# Altium PCB Motherboard_PCB_Trimmed.PcbDoc (part 3 of 5) (continued)
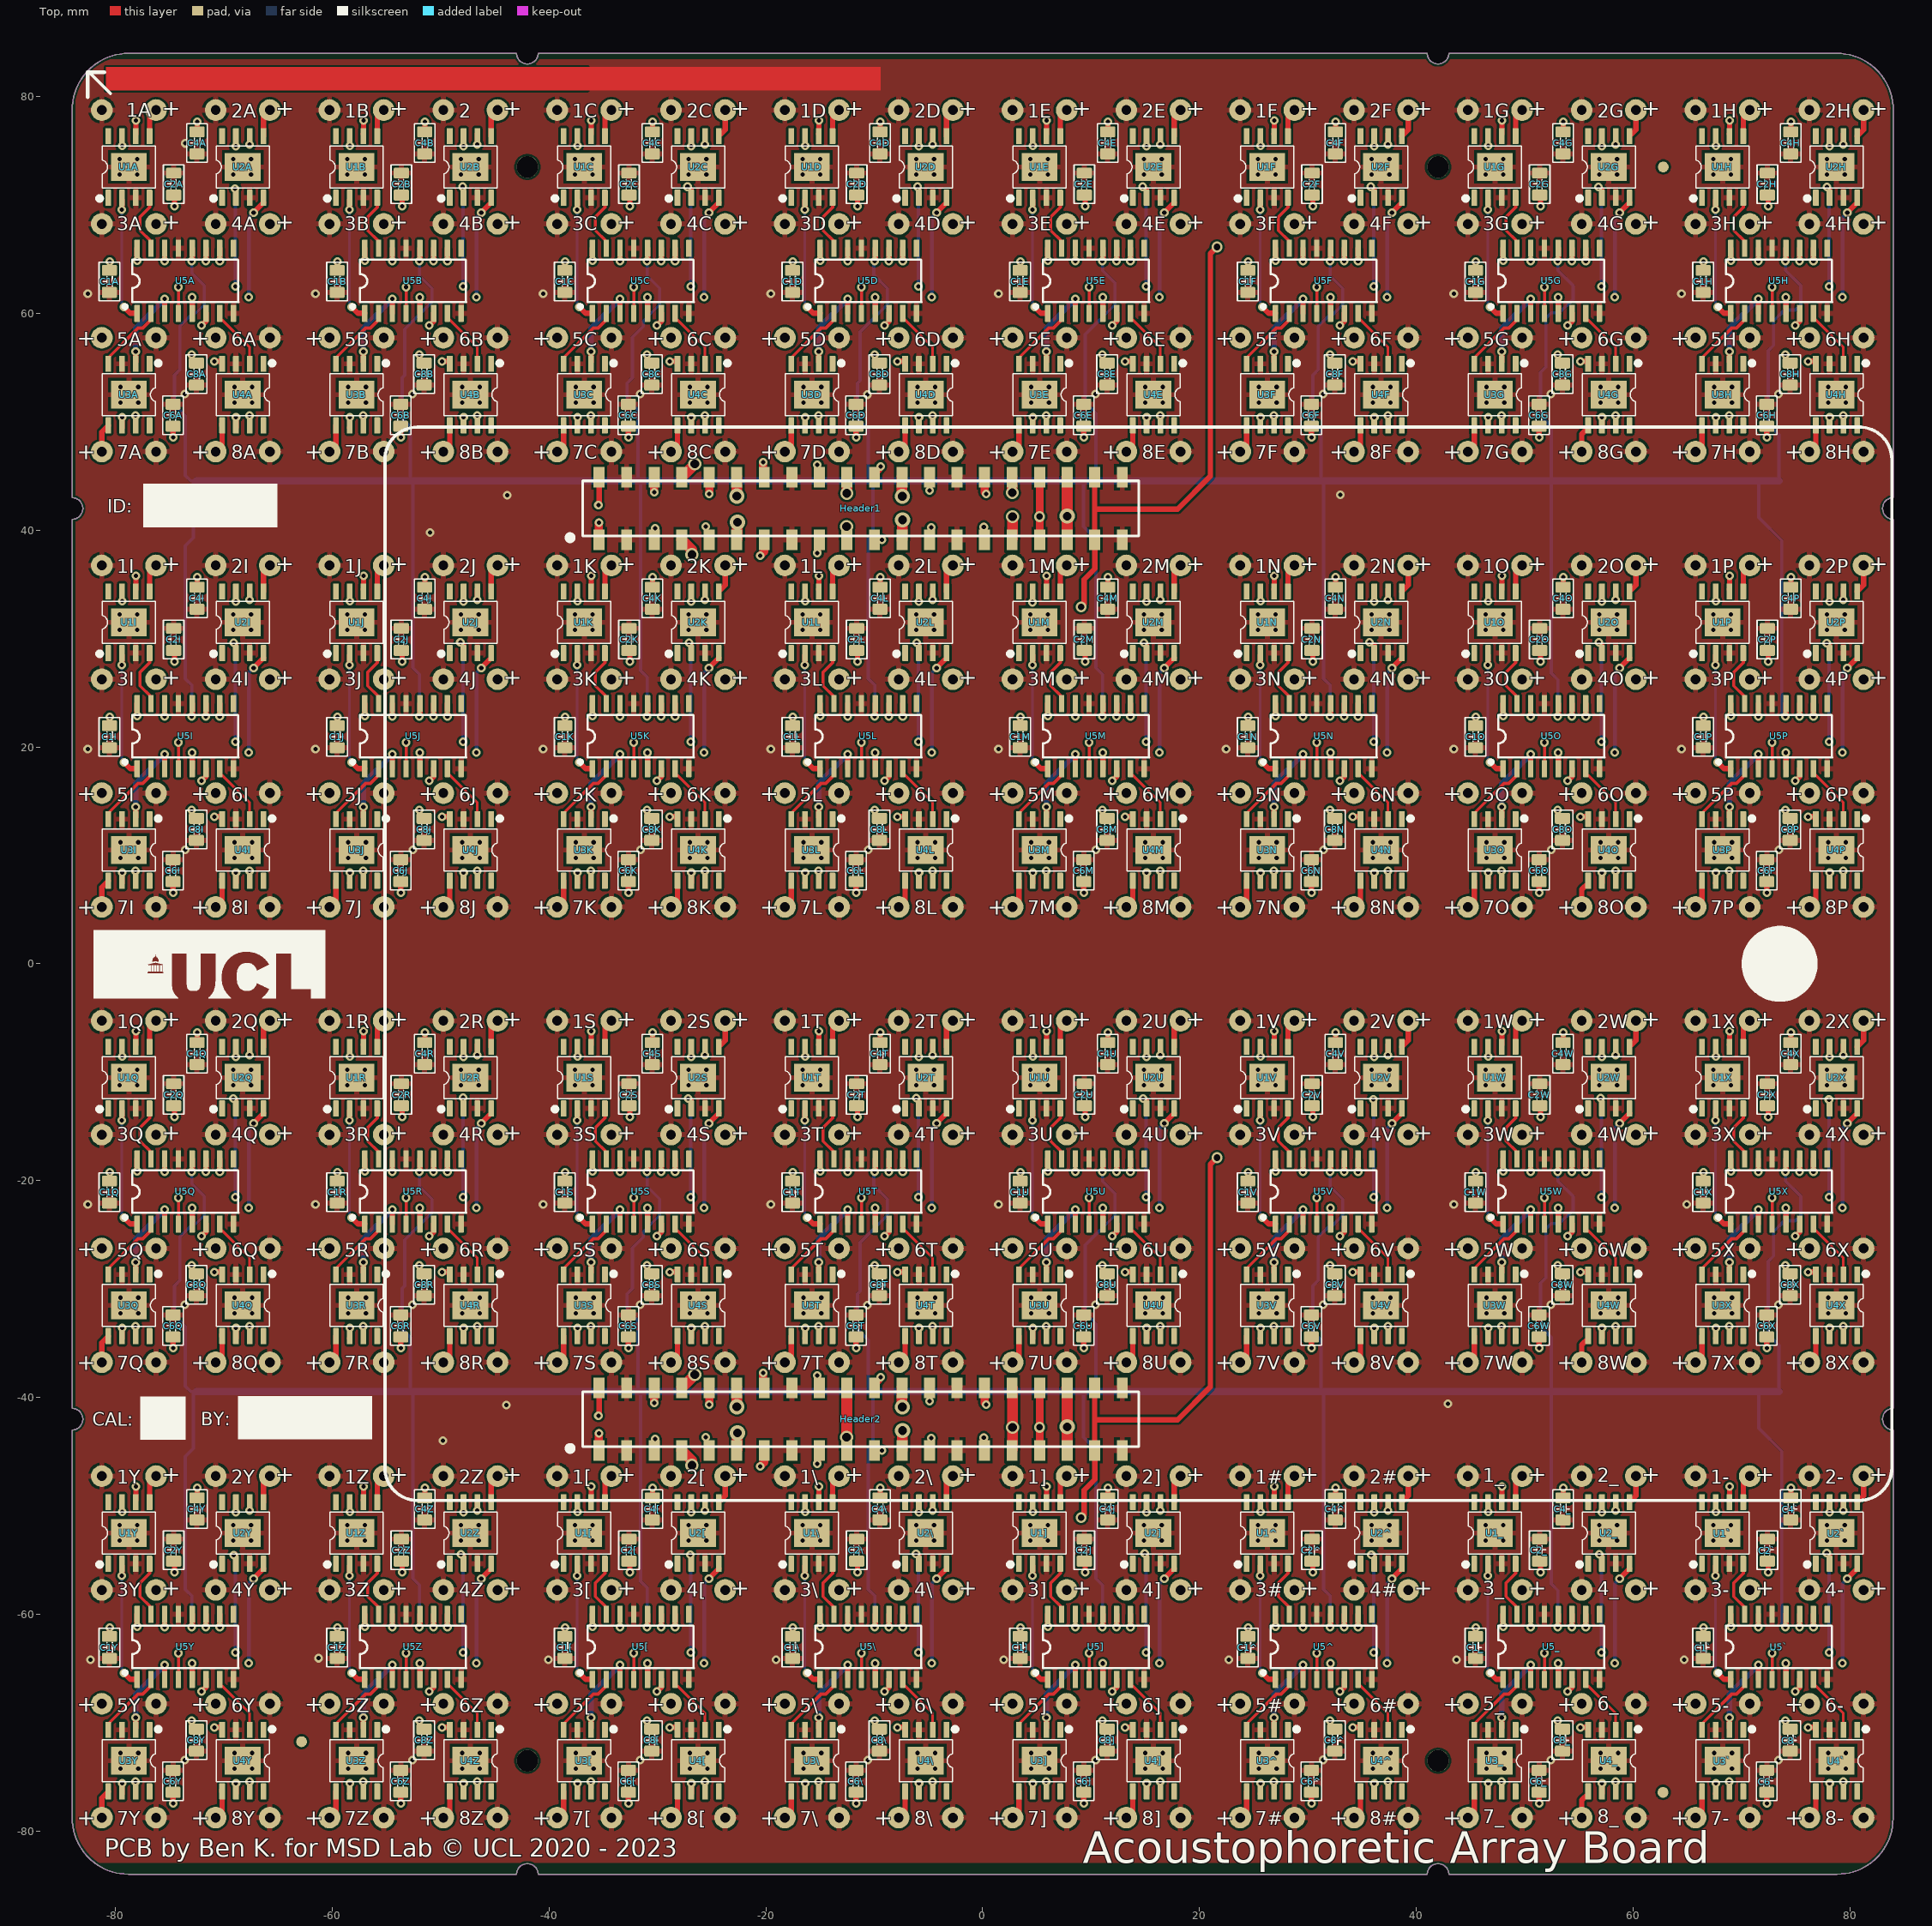
[diagram p0: Top view]
## Nets (pads, with @x,y where several pads share a name; then routed paths per layer and width w, separated by ;. In a path a pad name is that pad's centre, name@x,y a point inside that pad or via, vN(x,y) a via of type N, cw(c..) or ccw(c..) an arc to the next point about the centre after c; other vN are vias at no path point) (continued)
INA_4U: U4U.2 U5U.7 | length 5.6
  Top w0.254: U5U.7@13.625,-24 13.625,-24.375 16.385,-27.135 U4U.2@16.385,-28.455
INA_4V: U4V.2 U5V.7 | length 5.6
  Top w0.254: U5V.7@34.625,-24 34.625,-24.375 37.385,-27.135 U4V.2@37.385,-28.455
INA_4W: U4W.2 U5W.7 | length 5.6
  Top w0.254: U5W.7@55.625,-24 55.625,-24.375 58.385,-27.135 U4W.2@58.385,-28.455
INA_4X: U4X.2 U5X.7 | length 5.6
  Top w0.254: U5X.7@76.625,-24 76.625,-24.375 79.385,-27.135 U4X.2@79.385,-28.455
INA_4Y: U4Y.2 U5Y.7 | length 5.6
  Top w0.254: U5Y.7@-70.375,-66 -70.375,-66.375 -67.615,-69.135 U4Y.2@-67.615,-70.455
INA_4Z: U4Z.2 U5Z.7 | length 5.6
  Top w0.254: U5Z.7@-49.375,-66 -49.375,-66.375 -46.615,-69.135 U4Z.2@-46.615,-70.455
INB_1[: U1[.4 U5[.15 | length 5.2
  Top w0.3: U1[.4@-34.845,-55.545 -34.845,-56.22 -35.725,-57.1 -35.725,-58.35 -34.725,-59.35 U5[.15@-34.725,-60
INB_1\: U1\.4 U5\.15 | length 5.2
  Top w0.3: U1\.4@-13.845,-55.545 -13.845,-56.22 -14.725,-57.1 -14.725,-58.35 -13.725,-59.35 U5\.15@-13.725,-60
INB_1]: U1].4 U5].15 | length 5.2
  Top w0.3: U1].4@7.155,-55.545 7.155,-56.22 6.275,-57.1 6.275,-58.35 7.275,-59.35 U5].15@7.275,-60
INB_1^: U1^.4 U5^.15 | length 5.2
  Top w0.3: U1^.4@28.155,-55.545 28.155,-56.22 27.275,-57.1 27.275,-58.35 28.275,-59.35 U5^.15@28.275,-60
INB_1_: U1_.4 U5_.15 | length 5.2
  Top w0.3: U1_.4@49.155,-55.545 49.155,-56.22 48.275,-57.1 48.275,-58.35 49.275,-59.35 U5_.15@49.275,-60
INB_1`: U1`.4 U5`.15 | length 5.2
  Top w0.3: U1`.4@70.155,-55.545 70.155,-56.22 69.275,-57.1 69.275,-58.35 70.275,-59.35 U5`.15@70.275,-60
INB_1A: U1A.4 U5A.15 | length 5.2
  Top w0.3: U1A.4@-76.845,70.455 -76.845,69.78 -77.725,68.9 -77.725,67.65 -76.725,66.65 U5A.15@-76.725,66
INB_1B: U1B.4 U5B.15 | length 5.2
  Top w0.3: U1B.4@-55.845,70.455 -55.845,69.78 -56.725,68.9 -56.725,67.65 -55.725,66.65 U5B.15@-55.725,66
INB_1C: U1C.4 U5C.15 | length 5.2
  Top w0.3: U1C.4@-34.845,70.455 -34.845,69.78 -35.725,68.9 -35.725,67.65 -34.725,66.65 U5C.15@-34.725,66
INB_1D: U1D.4 U5D.15 | length 5.2
  Top w0.3: U1D.4@-13.845,70.455 -13.845,69.78 -14.725,68.9 -14.725,67.65 -13.725,66.65 U5D.15@-13.725,66
INB_1E: U1E.4 U5E.15 | length 5.2
  Top w0.3: U1E.4@7.155,70.455 7.155,69.78 6.275,68.9 6.275,67.65 7.275,66.65 U5E.15@7.275,66
INB_1F: U1F.4 U5F.15 | length 5.2
  Top w0.3: U1F.4@28.155,70.455 28.155,69.78 27.275,68.9 27.275,67.65 28.275,66.65 U5F.15@28.275,66
INB_1G: U1G.4 U5G.15 | length 5.2
  Top w0.3: U1G.4@49.155,70.455 49.155,69.78 48.275,68.9 48.275,67.65 49.275,66.65 U5G.15@49.275,66
INB_1H: U1H.4 U5H.15 | length 5.2
  Top w0.3: U1H.4@70.155,70.455 70.155,69.78 69.275,68.9 69.275,67.65 70.275,66.65 U5H.15@70.275,66
INB_1I: U1I.4 U5I.15 | length 5.2
  Top w0.3: U1I.4@-76.845,28.455 -76.845,27.78 -77.725,26.9 -77.725,25.65 -76.725,24.65 U5I.15@-76.725,24
INB_1J: U1J.4 U5J.15 | length 5.2
  Top w0.3: U1J.4@-55.845,28.455 -55.845,27.78 -56.725,26.9 -56.725,25.65 -55.725,24.65 U5J.15@-55.725,24
INB_1K: U1K.4 U5K.15 | length 5.4
  Top w0.3: U1K.4@-34.845,28.655 -34.845,27.78 -35.725,26.9 -35.725,25.65 -34.725,24.65 U5K.15@-34.725,24
INB_1L: U1L.4 U5L.15 | length 5.2
  Top w0.3: U1L.4@-13.845,28.455 -13.845,27.78 -14.725,26.9 -14.725,25.65 -13.725,24.65 U5L.15@-13.725,24
INB_1M: U1M.4 U5M.15 | length 5.2
  Top w0.3: U1M.4@7.155,28.455 7.155,27.78 6.275,26.9 6.275,25.65 7.275,24.65 U5M.15@7.275,24
INB_1N: U1N.4 U5N.15 | length 5.2
  Top w0.3: U1N.4@28.155,28.455 28.155,27.78 27.275,26.9 27.275,25.65 28.275,24.65 U5N.15@28.275,24
INB_1O: U1O.4 U5O.15 | length 5.2
  Top w0.3: U1O.4@49.155,28.455 49.155,27.78 48.275,26.9 48.275,25.65 49.275,24.65 U5O.15@49.275,24
INB_1P: U1P.4 U5P.15 | length 5.2
  Top w0.3: U1P.4@70.155,28.455 70.155,27.78 69.275,26.9 69.275,25.65 70.275,24.65 U5P.15@70.275,24
INB_1Q: U1Q.4 U5Q.15 | length 5.2
  Top w0.3: U1Q.4@-76.845,-13.545 -76.845,-14.22 -77.725,-15.1 -77.725,-16.35 -76.725,-17.35 U5Q.15@-76.725,-18
INB_1R: U1R.4 U5R.15 | length 5.2
  Top w0.3: U1R.4@-55.845,-13.545 -55.845,-14.22 -56.725,-15.1 -56.725,-16.35 -55.725,-17.35 U5R.15@-55.725,-18
INB_1S: U1S.4 U5S.15 | length 5.2
  Top w0.3: U1S.4@-34.845,-13.545 -34.845,-14.22 -35.725,-15.1 -35.725,-16.35 -34.725,-17.35 U5S.15@-34.725,-18
INB_1T: U1T.4 U5T.15 | length 5.2
  Top w0.3: U1T.4@-13.845,-13.545 -13.845,-14.22 -14.725,-15.1 -14.725,-16.35 -13.725,-17.35 U5T.15@-13.725,-18
INB_1U: U1U.4 U5U.15 | length 5.2
  Top w0.3: U1U.4@7.155,-13.545 7.155,-14.22 6.275,-15.1 6.275,-16.35 7.275,-17.35 U5U.15@7.275,-18
INB_1V: U1V.4 U5V.15 | length 5.2
  Top w0.3: U1V.4@28.155,-13.545 28.155,-14.22 27.275,-15.1 27.275,-16.35 28.275,-17.35 U5V.15@28.275,-18
INB_1W: U1W.4 U5W.15 | length 5.2
  Top w0.3: U1W.4@49.155,-13.545 49.155,-14.22 48.275,-15.1 48.275,-16.35 49.275,-17.35 U5W.15@49.275,-18
INB_1X: U1X.4 U5X.15 | length 5.2
  Top w0.3: U1X.4@70.155,-13.545 70.155,-14.22 69.275,-15.1 69.275,-16.35 70.275,-17.35 U5X.15@70.275,-18
INB_1Y: U1Y.4 U5Y.15 | length 5.2
  Top w0.3: U1Y.4@-76.845,-55.545 -76.845,-56.22 -77.725,-57.1 -77.725,-58.35 -76.725,-59.35 U5Y.15@-76.725,-60
INB_1Z: U1Z.4 U5Z.15 | length 5.2
  Top w0.3: U1Z.4@-55.845,-55.545 -55.845,-56.22 -56.725,-57.1 -56.725,-58.35 -55.725,-59.35 U5Z.15@-55.725,-60
INB_2[: U2[.4 U5[.5 | length 16
  Top w0.5: v1(-30.925,-64.525) -30.915,-64.535 U5[.5@-30.915,-66 ; v1(-25.25,-56.7) U2[.4@-24.345,-55.795
  Internal w0.3: v1(-30.925,-64.525) -25.725,-64.525 v1(-25.7,-64.5)
  Bottom w0.35: v1(-25.7,-64.5) -25.7,-57.15 v1(-25.25,-56.7)
INB_2\: U2\.4 U5\.5 | length 16
  Top w0.5: v1(-9.925,-64.525) -9.915,-64.535 U5\.5@-9.915,-66 ; v1(-4.25,-56.7) U2\.4@-3.345,-55.795
  Internal w0.3: v1(-9.925,-64.525) -4.725,-64.525 v1(-4.7,-64.5)
  Bottom w0.35: v1(-4.7,-64.5) -4.7,-57.15 v1(-4.25,-56.7)
INB_2]: U2].4 U5].5 | length 16
  Top w0.5: v1(11.075,-64.525) 11.085,-64.535 U5].5@11.085,-66 ; v1(16.75,-56.7) U2].4@17.655,-55.795
  Internal w0.3: v1(11.075,-64.525) 16.275,-64.525 v1(16.3,-64.5)
  Bottom w0.35: v1(16.3,-64.5) 16.3,-57.15 v1(16.75,-56.7)
INB_2^: U2^.4 U5^.5 | length 16
  Top w0.5: v1(32.075,-64.525) 32.085,-64.535 U5^.5@32.085,-66 ; v1(37.75,-56.7) U2^.4@38.655,-55.795
  Internal w0.3: v1(32.075,-64.525) 37.275,-64.525 v1(37.3,-64.5)
  Bottom w0.35: v1(37.3,-64.5) 37.3,-57.15 v1(37.75,-56.7)
INB_2_: U2_.4 U5_.5 | length 16
  Top w0.5: v1(53.075,-64.525) 53.085,-64.535 U5_.5@53.085,-66 ; v1(58.75,-56.7) U2_.4@59.655,-55.795
  Internal w0.3: v1(53.075,-64.525) 58.275,-64.525 v1(58.3,-64.5)
  Bottom w0.35: v1(58.3,-64.5) 58.3,-57.15 v1(58.75,-56.7)
INB_2`: U2`.4 U5`.5 | length 16
  Top w0.5: v1(74.075,-64.525) 74.085,-64.535 U5`.5@74.085,-66 ; v1(79.75,-56.7) U2`.4@80.655,-55.795
  Internal w0.3: v1(74.075,-64.525) 79.275,-64.525 v1(79.3,-64.5)
  Bottom w0.35: v1(79.3,-64.5) 79.3,-57.15 v1(79.75,-56.7)
INB_2A: U2A.4 U5A.5 | length 16
  Top w0.5: v1(-72.925,61.475) -72.915,61.465 U5A.5@-72.915,60 ; v1(-67.25,69.3) U2A.4@-66.345,70.205
  Internal w0.3: v1(-72.925,61.475) -67.725,61.475 v1(-67.7,61.5)
  Bottom w0.35: v1(-67.7,61.5) -67.7,68.85 v1(-67.25,69.3)
INB_2B: U2B.4 U5B.5 | length 16
  Top w0.5: v1(-51.925,61.475) -51.915,61.465 U5B.5@-51.915,60 ; v1(-46.25,69.3) U2B.4@-45.345,70.205
  Internal w0.3: v1(-51.925,61.475) v1@-46.725,61.475
  Internal w0.5: v1@-46.725,61.475 v1(-46.7,61.5)
  Bottom w0.35: v1(-46.7,61.5) -46.7,68.85 v1(-46.25,69.3)
INB_2C: U2C.4 U5C.5 | length 16
  Top w0.5: v1(-30.925,61.475) -30.915,61.465 U5C.5@-30.915,60 ; v1(-25.25,69.3) U2C.4@-24.345,70.205
  Internal w0.3: v1(-30.925,61.475) -25.725,61.475 v1(-25.7,61.5)
  Bottom w0.35: v1(-25.7,61.5) -25.7,68.85 v1(-25.25,69.3)
INB_2D: U2D.4 U5D.5 | length 16
  Top w0.5: v1(-9.925,61.475) -9.915,61.465 U5D.5@-9.915,60 ; v1(-4.25,69.3) U2D.4@-3.345,70.205
  Internal w0.3: v1(-9.925,61.475) -4.725,61.475 v1(-4.7,61.5)
  Bottom w0.35: v1(-4.7,61.5) -4.7,68.85 v1(-4.25,69.3)
INB_2E: U2E.4 U5E.5 | length 16
  Top w0.5: v1(11.075,61.475) 11.085,61.465 U5E.5@11.085,60 ; v1(16.75,69.3) U2E.4@17.655,70.205
  Internal w0.3: v1(11.075,61.475) 16.275,61.475 v1(16.3,61.5)
  Bottom w0.35: v1(16.3,61.5) 16.3,68.85 v1(16.75,69.3)
INB_2F: U2F.4 U5F.5 | length 16
  Top w0.5: v1(32.075,61.475) 32.085,61.465 U5F.5@32.085,60 ; v1(37.75,69.3) U2F.4@38.655,70.205
  Internal w0.3: v1(32.075,61.475) 37.275,61.475 v1(37.3,61.5)
  Bottom w0.35: v1(37.3,61.5) 37.3,68.85 v1(37.75,69.3)
INB_2G: U2G.4 U5G.5 | length 16
  Top w0.5: v1(53.075,61.475) 53.085,61.465 U5G.5@53.085,60 ; v1(58.75,69.3) U2G.4@59.655,70.205
  Internal w0.3: v1(53.075,61.475) 58.275,61.475 v1(58.3,61.5)
  Bottom w0.35: v1(58.3,61.5) 58.3,68.85 v1(58.75,69.3)
INB_2H: U2H.4 U5H.5 | length 16
  Top w0.5: v1(74.075,61.475) 74.085,61.465 U5H.5@74.085,60 ; v1(79.75,69.3) U2H.4@80.655,70.205
  Internal w0.3: v1(74.075,61.475) 79.275,61.475 v1(79.3,61.5)
  Bottom w0.35: v1(79.3,61.5) 79.3,68.85 v1(79.75,69.3)
INB_2I: U2I.4 U5I.5 | length 16
  Top w0.5: v1(-72.925,19.475) -72.915,19.465 U5I.5@-72.915,18 ; v1(-67.25,27.3) U2I.4@-66.345,28.205
  Internal w0.3: v1(-72.925,19.475) -67.725,19.475 v1(-67.7,19.5)
  Bottom w0.35: v1(-67.7,19.5) -67.7,26.85 v1(-67.25,27.3)
INB_2J: U2J.4 U5J.5 | length 16
  Top w0.5: v1(-51.925,19.475) -51.915,19.465 U5J.5@-51.915,18 ; v1(-46.25,27.3) U2J.4@-45.345,28.205
  Internal w0.3: v1(-51.925,19.475) -46.725,19.475 v1(-46.7,19.5)
  Bottom w0.35: v1(-46.7,19.5) -46.7,26.85 v1(-46.25,27.3)
INB_2K: U2K.4 U5K.5 | length 16
  Top w0.5: v1(-30.925,19.475) -30.915,19.465 U5K.5@-30.915,18 ; v1(-25.25,27.3) U2K.4@-24.345,28.205
  Internal w0.3: v1(-30.925,19.475) -25.725,19.475 v1(-25.7,19.5)
  Bottom w0.35: v1(-25.7,19.5) -25.7,26.85 v1(-25.25,27.3)
INB_2L: U2L.4 U5L.5 | length 16
  Top w0.5: v1(-9.925,19.475) -9.915,19.465 U5L.5@-9.915,18 ; v1(-4.25,27.3) U2L.4@-3.345,28.205
  Internal w0.3: v1(-9.925,19.475) -4.725,19.475 v1(-4.7,19.5)
  Bottom w0.35: v1(-4.7,19.5) -4.7,26.85 v1(-4.25,27.3)
INB_2M: U2M.4 U5M.5 | length 16
  Top w0.5: v1(11.075,19.475) 11.085,19.465 U5M.5@11.085,18 ; v1(16.75,27.3) U2M.4@17.655,28.205
  Internal w0.3: v1(11.075,19.475) 16.275,19.475 v1(16.3,19.5)
  Bottom w0.35: v1(16.3,19.5) 16.3,26.85 v1(16.75,27.3)
INB_2N: U2N.4 U5N.5 | length 16
  Top w0.5: v1(32.075,19.475) 32.085,19.465 U5N.5@32.085,18 ; v1(37.75,27.3) U2N.4@38.655,28.205
  Internal w0.3: v1(32.075,19.475) 37.275,19.475 v1(37.3,19.5)
  Bottom w0.35: v1(37.3,19.5) 37.3,26.85 v1(37.75,27.3)
INB_2O: U2O.4 U5O.5 | length 16
  Top w0.5: v1(53.075,19.475) 53.085,19.465 U5O.5@53.085,18 ; v1(58.75,27.3) U2O.4@59.655,28.205
  Internal w0.3: v1(53.075,19.475) 58.275,19.475 v1(58.3,19.5)
  Bottom w0.35: v1(58.3,19.5) 58.3,26.85 v1(58.75,27.3)
INB_2P: U2P.4 U5P.5 | length 16
  Top w0.5: v1(74.075,19.475) 74.085,19.465 U5P.5@74.085,18 ; v1(79.75,27.3) U2P.4@80.655,28.205
  Internal w0.3: v1(74.075,19.475) 79.275,19.475 v1(79.3,19.5)
  Bottom w0.35: v1(79.3,19.5) 79.3,26.85 v1(79.75,27.3)
INB_2Q: U2Q.4 U5Q.5 | length 16
  Top w0.5: v1(-72.925,-22.525) -72.915,-22.535 U5Q.5@-72.915,-24 ; v1(-67.25,-14.7) U2Q.4@-66.345,-13.795
  Internal w0.3: v1(-72.925,-22.525) -67.725,-22.525 v1(-67.7,-22.5)
  Bottom w0.35: v1(-67.7,-22.5) -67.7,-15.15 v1(-67.25,-14.7)
INB_2R: U2R.4 U5R.5 | length 16
  Top w0.5: v1(-51.925,-22.525) -51.915,-22.535 U5R.5@-51.915,-24 ; v1(-46.25,-14.7) U2R.4@-45.345,-13.795
  Internal w0.3: v1(-51.925,-22.525) -46.725,-22.525 v1(-46.7,-22.5)
  Bottom w0.35: v1(-46.7,-22.5) -46.7,-15.15 v1(-46.25,-14.7)
INB_2S: U2S.4 U5S.5 | length 16
  Top w0.5: v1(-30.925,-22.525) -30.915,-22.535 U5S.5@-30.915,-24 ; v1(-25.25,-14.7) U2S.4@-24.345,-13.795
  Internal w0.3: v1(-30.925,-22.525) -25.725,-22.525 v1(-25.7,-22.5)
  Bottom w0.35: v1(-25.7,-22.5) -25.7,-15.15 v1(-25.25,-14.7)
INB_2T: U2T.4 U5T.5 | length 16
  Top w0.5: v1(-9.925,-22.525) -9.915,-22.535 U5T.5@-9.915,-24 ; v1(-4.25,-14.7) U2T.4@-3.345,-13.795
  Internal w0.3: v1(-9.925,-22.525) -4.725,-22.525 v1(-4.7,-22.5)
  Bottom w0.35: v1(-4.7,-22.5) -4.7,-15.15 v1(-4.25,-14.7)
INB_2U: U2U.4 U5U.5 | length 16
  Top w0.5: v1(11.075,-22.525) 11.085,-22.535 U5U.5@11.085,-24 ; v1(16.75,-14.7) U2U.4@17.655,-13.795
  Internal w0.3: v1(11.075,-22.525) 16.275,-22.525 v1(16.3,-22.5)
  Bottom w0.35: v1(16.3,-22.5) 16.3,-15.15 v1(16.75,-14.7)
INB_2V: U2V.4 U5V.5 | length 16
  Top w0.5: v1(32.075,-22.525) 32.085,-22.535 U5V.5@32.085,-24 ; v1(37.75,-14.7) U2V.4@38.655,-13.795
  Internal w0.3: v1(32.075,-22.525) 37.275,-22.525 v1(37.3,-22.5)
  Bottom w0.35: v1(37.3,-22.5) 37.3,-15.15 v1(37.75,-14.7)
INB_2W: U2W.4 U5W.5 | length 16
  Top w0.5: v1(53.075,-22.525) 53.085,-22.535 U5W.5@53.085,-24 ; v1(58.75,-14.7) U2W.4@59.655,-13.795
  Internal w0.3: v1(53.075,-22.525) 58.275,-22.525 v1(58.3,-22.5)
  Bottom w0.35: v1(58.3,-22.5) 58.3,-15.15 v1(58.75,-14.7)
INB_2X: U2X.4 U5X.5 | length 16
  Top w0.5: v1(74.075,-22.525) 74.085,-22.535 U5X.5@74.085,-24 ; v1(79.75,-14.7) U2X.4@80.655,-13.795
  Internal w0.3: v1(74.075,-22.525) 79.275,-22.525 v1(79.3,-22.5)
  Bottom w0.35: v1(79.3,-22.5) 79.3,-15.15 v1(79.75,-14.7)
INB_2Y: U2Y.4 U5Y.5 | length 16
  Top w0.5: v1(-72.925,-64.525) -72.915,-64.535 U5Y.5@-72.915,-66 ; v1(-67.25,-56.7) U2Y.4@-66.345,-55.795
  Internal w0.3: v1(-72.925,-64.525) -67.725,-64.525 v1(-67.7,-64.5)
  Bottom w0.35: v1(-67.7,-64.5) -67.7,-57.15 v1(-67.25,-56.7)
INB_2Z: U2Z.4 U5Z.5 | length 16
  Top w0.5: v1(-51.925,-64.525) -51.915,-64.535 U5Z.5@-51.915,-66 ; v1(-46.25,-56.7) U2Z.4@-45.345,-55.795
  Internal w0.3: v1(-51.925,-64.525) -46.725,-64.525 v1(-46.7,-64.5)
  Bottom w0.35: v1(-46.7,-64.5) -46.7,-57.15 v1(-46.25,-56.7)
INB_3[: U3[.4 U5[.2 | length 6.3
  Top w0.3: U3[.4@-38.655,-70.455 -38.655,-70.105 -35.9,-67.35 -35.475,-67.35 -34.725,-66.6 U5[.2@-34.725,-66
INB_3\: U3\.4 U5\.2 | length 6.3
  Top w0.3: U3\.4@-17.655,-70.455 -17.655,-70.105 -14.9,-67.35 -14.475,-67.35 -13.725,-66.6 U5\.2@-13.725,-66
INB_3]: U3].4 U5].2 | length 6.3
  Top w0.3: U3].4@3.345,-70.455 3.345,-70.105 6.1,-67.35 6.525,-67.35 7.275,-66.6 U5].2@7.275,-66
INB_3^: U3^.4 U5^.2 | length 6.3
  Top w0.3: U3^.4@24.345,-70.455 24.345,-70.105 27.1,-67.35 27.525,-67.35 28.275,-66.6 U5^.2@28.275,-66
INB_3_: U3_.4 U5_.2 | length 6.3
  Top w0.3: U3_.4@45.345,-70.455 45.345,-70.105 48.1,-67.35 48.525,-67.35 49.275,-66.6 U5_.2@49.275,-66
INB_3`: U3`.4 U5`.2 | length 6.3
  Top w0.3: U3`.4@66.345,-70.455 66.345,-70.105 69.1,-67.35 69.525,-67.35 70.275,-66.6 U5`.2@70.275,-66
INB_3A: U3A.4 U5A.2 | length 6.3
  Top w0.3: U3A.4@-80.655,55.545 -80.655,55.895 -77.9,58.65 -77.475,58.65 -76.725,59.4 U5A.2@-76.725,60
INB_3B: U3B.4 U5B.2 | length 6.3
  Top w0.3: U3B.4@-59.655,55.545 -59.655,55.895 -56.9,58.65 -56.475,58.65 -55.725,59.4 U5B.2@-55.725,60
INB_3C: U3C.4 U5C.2 | length 6.3
  Top w0.3: U3C.4@-38.655,55.545 -38.655,55.895 -35.9,58.65 -35.475,58.65 -34.725,59.4 U5C.2@-34.725,60
INB_3D: U3D.4 U5D.2 | length 6.3
  Top w0.3: U3D.4@-17.655,55.545 -17.655,55.895 -14.9,58.65 -14.475,58.65 -13.725,59.4 U5D.2@-13.725,60
INB_3E: U3E.4 U5E.2 | length 6.3
  Top w0.3: U3E.4@3.345,55.545 3.345,55.895 6.1,58.65 6.525,58.65 7.275,59.4 U5E.2@7.275,60
INB_3F: U3F.4 U5F.2 | length 6.3
  Top w0.3: U3F.4@24.345,55.545 24.345,55.895 27.1,58.65 27.525,58.65 28.275,59.4 U5F.2@28.275,60
INB_3G: U3G.4 U5G.2 | length 6.3
  Top w0.3: U3G.4@45.345,55.545 45.345,55.895 48.1,58.65 48.525,58.65 49.275,59.4 U5G.2@49.275,60
INB_3H: U3H.4 U5H.2 | length 6.3
  Top w0.3: U3H.4@66.345,55.545 66.345,55.895 69.1,58.65 69.525,58.65 70.275,59.4 U5H.2@70.275,60
INB_3I: U3I.4 U5I.2 | length 6.3
  Top w0.3: U3I.4@-80.655,13.545 -80.655,13.895 -77.9,16.65 -77.475,16.65 -76.725,17.4 U5I.2@-76.725,18
INB_3J: U3J.4 U5J.2 | length 6.3
  Top w0.3: U3J.4@-59.655,13.545 -59.655,13.895 -56.9,16.65 -56.475,16.65 -55.725,17.4 U5J.2@-55.725,18
INB_3K: U3K.4 U5K.2 | length 6.3
  Top w0.3: U3K.4@-38.655,13.545 -38.655,13.895 -35.9,16.65 -35.475,16.65 -34.725,17.4 U5K.2@-34.725,18
INB_3L: U3L.4 U5L.2 | length 6.3
  Top w0.3: U3L.4@-17.655,13.545 -17.655,13.895 -14.9,16.65 -14.475,16.65 -13.725,17.4 U5L.2@-13.725,18
INB_3M: U3M.4 U5M.2 | length 6.3
  Top w0.3: U3M.4@3.345,13.545 3.345,13.895 6.1,16.65 6.525,16.65 7.275,17.4 U5M.2@7.275,18
INB_3N: U3N.4 U5N.2 | length 6.3
  Top w0.3: U3N.4@24.345,13.545 24.345,13.895 27.1,16.65 27.525,16.65 28.275,17.4 U5N.2@28.275,18
INB_3O: U3O.4 U5O.2 | length 6.3
  Top w0.3: U3O.4@45.345,13.545 45.345,13.895 48.1,16.65 48.525,16.65 49.275,17.4 U5O.2@49.275,18
INB_3P: U3P.4 U5P.2 | length 6.3
  Top w0.3: U3P.4@66.345,13.545 66.345,13.895 69.1,16.65 69.525,16.65 70.275,17.4 U5P.2@70.275,18
INB_3Q: U3Q.4 U5Q.2 | length 6.3
  Top w0.3: U3Q.4@-80.655,-28.455 -80.655,-28.105 -77.9,-25.35 -77.475,-25.35 -76.725,-24.6 U5Q.2@-76.725,-24
INB_3R: U3R.4 U5R.2 | length 6.3
  Top w0.3: U3R.4@-59.655,-28.455 -59.655,-28.105 -56.9,-25.35 -56.475,-25.35 -55.725,-24.6 U5R.2@-55.725,-24
INB_3S: U3S.4 U5S.2 | length 6.3
  Top w0.3: U3S.4@-38.655,-28.455 -38.655,-28.105 -35.9,-25.35 -35.475,-25.35 -34.725,-24.6 U5S.2@-34.725,-24
INB_3T: U3T.4 U5T.2 | length 6.3
  Top w0.3: U3T.4@-17.655,-28.455 -17.655,-28.105 -14.9,-25.35 -14.475,-25.35 -13.725,-24.6 U5T.2@-13.725,-24
INB_3U: U3U.4 U5U.2 | length 6.3
  Top w0.3: U3U.4@3.345,-28.455 3.345,-28.105 6.1,-25.35 6.525,-25.35 7.275,-24.6 U5U.2@7.275,-24
INB_3V: U3V.4 U5V.2 | length 6.3
  Top w0.3: U3V.4@24.345,-28.455 24.345,-28.105 27.1,-25.35 27.525,-25.35 28.275,-24.6 U5V.2@28.275,-24
INB_3W: U3W.4 U5W.2 | length 6.3
  Top w0.3: U3W.4@45.345,-28.455 45.345,-28.105 48.1,-25.35 48.525,-25.35 49.275,-24.6 U5W.2@49.275,-24
INB_3X: U3X.4 U5X.2 | length 6.3
  Top w0.3: U3X.4@66.345,-28.455 66.345,-28.105 69.1,-25.35 69.525,-25.35 70.275,-24.6 U5X.2@70.275,-24
INB_3Y: U3Y.4 U5Y.2 | length 6.3
  Top w0.3: U3Y.4@-80.655,-70.455 -80.655,-70.105 -77.9,-67.35 -77.475,-67.35 -76.725,-66.6 U5Y.2@-76.725,-66
INB_3Z: U3Z.4 U5Z.2 | length 6.3
  Top w0.3: U3Z.4@-59.655,-70.455 -59.655,-70.105 -56.9,-67.35 -56.475,-67.35 -55.725,-66.6 U5Z.2@-55.725,-66
INB_4[: U4[.4 U5[.6 | length 6.1
  Top w0.5: v1(-30.05,-67.125) -29.645,-66.72 U5[.6@-29.645,-66 ; v1(-28.875,-70.425) -28.185,-70.425 U4[.4@-28.155,-70.455
  Internal w0.3: v1(-30.05,-67.125) -30.4,-67.475 -30.4,-68.925 -28.9,-70.425 v1(-28.875,-70.425)
INB_4\: U4\.4 U5\.6 | length 6.1
  Top w0.5: v1(-9.05,-67.125) -8.645,-66.72 U5\.6@-8.645,-66 ; v1(-7.875,-70.425) -7.185,-70.425 U4\.4@-7.155,-70.455
  Internal w0.3: v1(-9.05,-67.125) -9.4,-67.475 -9.4,-68.925 -7.9,-70.425 v1(-7.875,-70.425)
INB_4]: U4].4 U5].6 | length 6.1
  Top w0.5: v1(11.95,-67.125) 12.355,-66.72 U5].6@12.355,-66 ; v1(13.125,-70.425) 13.815,-70.425 U4].4@13.845,-70.455
  Internal w0.3: v1(11.95,-67.125) 11.6,-67.475 11.6,-68.925 13.1,-70.425 v1(13.125,-70.425)
INB_4^: U4^.4 U5^.6 | length 6.1
  Top w0.5: v1(32.95,-67.125) 33.355,-66.72 U5^.6@33.355,-66 ; v1(34.125,-70.425) 34.815,-70.425 U4^.4@34.845,-70.455
  Internal w0.3: v1(32.95,-67.125) 32.6,-67.475 32.6,-68.925 34.1,-70.425 v1(34.125,-70.425)
INB_4_: U4_.4 U5_.6 | length 6.1
  Top w0.5: v1(53.95,-67.125) 54.355,-66.72 U5_.6@54.355,-66 ; v1(55.125,-70.425) 55.815,-70.425 U4_.4@55.845,-70.455
  Internal w0.3: v1(53.95,-67.125) 53.6,-67.475 53.6,-68.925 55.1,-70.425 v1(55.125,-70.425)
INB_4`: U4`.4 U5`.6 | length 6.1
  Top w0.5: v1(74.95,-67.125) 75.355,-66.72 U5`.6@75.355,-66 ; v1(76.125,-70.425) 76.815,-70.425 U4`.4@76.845,-70.455
  Internal w0.3: v1(74.95,-67.125) 74.6,-67.475 74.6,-68.925 76.1,-70.425 v1(76.125,-70.425)
INB_4A: U4A.4 U5A.6 | length 6.1
  Top w0.5: v1(-72.05,58.875) -71.645,59.28 U5A.6@-71.645,60 ; v1(-70.875,55.575) -70.185,55.575 U4A.4@-70.155,55.545
  Internal w0.3: v1(-72.05,58.875) -72.4,58.525 -72.4,57.075 -70.9,55.575 v1(-70.875,55.575)
INB_4B: U4B.4 U5B.6 | length 6.1
  Top w0.5: v1(-51.05,58.875) -50.645,59.28 U5B.6@-50.645,60 ; v1(-49.875,55.575) -49.185,55.575 U4B.4@-49.155,55.545
  Internal w0.3: v1(-51.05,58.875) -51.4,58.525 -51.4,57.075 -49.9,55.575 v1(-49.875,55.575)
INB_4C: U4C.4 U5C.6 | length 6.1
  Top w0.5: v1(-30.05,58.875) -29.645,59.28 U5C.6@-29.645,60 ; v1(-28.875,55.575) -28.185,55.575 U4C.4@-28.155,55.545
  Internal w0.3: v1(-30.05,58.875) -30.4,58.525 -30.4,57.075 -28.9,55.575 v1(-28.875,55.575)
INB_4D: U4D.4 U5D.6 | length 6.1
  Top w0.5: v1(-9.05,58.875) -8.645,59.28 U5D.6@-8.645,60 ; v1(-7.875,55.575) -7.185,55.575 U4D.4@-7.155,55.545
  Internal w0.3: v1(-9.05,58.875) -9.4,58.525 -9.4,57.075 -7.9,55.575 v1(-7.875,55.575)
INB_4E: U4E.4 U5E.6 | length 6.1
  Top w0.5: v1(11.95,58.875) 12.355,59.28 U5E.6@12.355,60 ; v1(13.125,55.575) 13.815,55.575 U4E.4@13.845,55.545
  Internal w0.3: v1(11.95,58.875) 11.6,58.525 11.6,57.075 13.1,55.575 v1(13.125,55.575)
INB_4F: U4F.4 U5F.6 | length 6.1
  Top w0.5: v1(32.95,58.875) 33.355,59.28 U5F.6@33.355,60 ; v1(34.125,55.575) 34.815,55.575 U4F.4@34.845,55.545
  Internal w0.3: v1(32.95,58.875) 32.6,58.525 32.6,57.075 34.1,55.575 v1(34.125,55.575)
INB_4G: U4G.4 U5G.6 | length 6.1
  Top w0.5: v1(53.95,58.875) 54.355,59.28 U5G.6@54.355,60 ; v1(55.125,55.575) 55.815,55.575 U4G.4@55.845,55.545
  Internal w0.3: v1(53.95,58.875) 53.6,58.525 53.6,57.075 55.1,55.575 v1(55.125,55.575)
INB_4H: U4H.4 U5H.6 | length 6.1
  Top w0.5: v1(74.95,58.875) 75.355,59.28 U5H.6@75.355,60 ; v1(76.125,55.575) 76.815,55.575 U4H.4@76.845,55.545
  Internal w0.3: v1(74.95,58.875) 74.6,58.525 74.6,57.075 76.1,55.575 v1(76.125,55.575)
INB_4I: U4I.4 U5I.6 | length 6.1
  Top w0.5: v1(-72.05,16.875) -71.645,17.28 U5I.6@-71.645,18 ; v1(-70.875,13.575) -70.185,13.575 U4I.4@-70.155,13.545
  Internal w0.3: v1(-72.05,16.875) -72.4,16.525 -72.4,15.075 -70.9,13.575 v1(-70.875,13.575)
INB_4J: U4J.4 U5J.6 | length 6.1
  Top w0.5: v1(-51.05,16.875) -50.645,17.28 U5J.6@-50.645,18 ; v1(-49.875,13.575) -49.185,13.575 U4J.4@-49.155,13.545
  Internal w0.3: v1(-51.05,16.875) -51.4,16.525 -51.4,15.075 -49.9,13.575 v1(-49.875,13.575)
INB_4K: U4K.4 U5K.6 | length 6.1
  Top w0.5: v1(-30.05,16.875) -29.645,17.28 U5K.6@-29.645,18 ; v1(-28.875,13.575) -28.185,13.575 U4K.4@-28.155,13.545
  Internal w0.3: v1(-30.05,16.875) -30.4,16.525 -30.4,15.075 -28.9,13.575 v1(-28.875,13.575)
INB_4L: U4L.4 U5L.6 | length 6.1
  Top w0.5: v1(-9.05,16.875) -8.645,17.28 U5L.6@-8.645,18 ; v1(-7.875,13.575) -7.185,13.575 U4L.4@-7.155,13.545
  Internal w0.3: v1(-9.05,16.875) -9.4,16.525 -9.4,15.075 -7.9,13.575 v1(-7.875,13.575)
INB_4M: U4M.4 U5M.6 | length 6.1
  Top w0.5: v1(11.95,16.875) 12.355,17.28 U5M.6@12.355,18 ; v1(13.125,13.575) 13.815,13.575 U4M.4@13.845,13.545
  Internal w0.3: v1(11.95,16.875) 11.6,16.525 11.6,15.075 13.1,13.575 v1(13.125,13.575)
INB_4N: U4N.4 U5N.6 | length 6.1
  Top w0.5: v1(32.95,16.875) 33.355,17.28 U5N.6@33.355,18 ; v1(34.125,13.575) 34.815,13.575 U4N.4@34.845,13.545
  Internal w0.3: v1(32.95,16.875) 32.6,16.525 32.6,15.075 34.1,13.575 v1(34.125,13.575)
INB_4O: U4O.4 U5O.6 | length 6.1
  Top w0.5: v1(53.95,16.875) 54.355,17.28 U5O.6@54.355,18 ; v1(55.125,13.575) 55.815,13.575 U4O.4@55.845,13.545
  Internal w0.3: v1(53.95,16.875) 53.6,16.525 53.6,15.075 55.1,13.575 v1(55.125,13.575)
INB_4P: U4P.4 U5P.6 | length 6.1
  Top w0.5: v1(74.95,16.875) 75.355,17.28 U5P.6@75.355,18 ; v1(76.125,13.575) 76.815,13.575 U4P.4@76.845,13.545
  Internal w0.3: v1(74.95,16.875) 74.6,16.525 74.6,15.075 76.1,13.575 v1(76.125,13.575)
INB_4Q: U4Q.4 U5Q.6 | length 6.1
  Top w0.5: v1(-72.05,-25.125) -71.645,-24.72 U5Q.6@-71.645,-24 ; v1(-70.875,-28.425) -70.185,-28.425 U4Q.4@-70.155,-28.455
  Internal w0.3: v1(-72.05,-25.125) -72.4,-25.475 -72.4,-26.925 -70.9,-28.425 v1(-70.875,-28.425)
INB_4R: U4R.4 U5R.6 | length 6.1
  Top w0.5: v1(-51.05,-25.125) -50.645,-24.72 U5R.6@-50.645,-24 ; v1(-49.875,-28.425) -49.185,-28.425 U4R.4@-49.155,-28.455
  Internal w0.3: v1(-51.05,-25.125) -51.4,-25.475 -51.4,-26.925 -49.9,-28.425 v1(-49.875,-28.425)
INB_4S: U4S.4 U5S.6 | length 6.1
  Top w0.5: v1(-30.05,-25.125) -29.645,-24.72 U5S.6@-29.645,-24 ; v1(-28.875,-28.425) -28.185,-28.425 U4S.4@-28.155,-28.455
  Internal w0.3: v1(-30.05,-25.125) -30.4,-25.475 -30.4,-26.925 -28.9,-28.425 v1(-28.875,-28.425)
INB_4T: U4T.4 U5T.6 | length 6.1
  Top w0.5: v1(-9.05,-25.125) -8.645,-24.72 U5T.6@-8.645,-24 ; v1(-7.875,-28.425) -7.185,-28.425 U4T.4@-7.155,-28.455
  Internal w0.3: v1(-9.05,-25.125) -9.4,-25.475 -9.4,-26.925 -7.9,-28.425 v1(-7.875,-28.425)
INB_4U: U4U.4 U5U.6 | length 6.1
  Top w0.5: v1(11.95,-25.125) 12.355,-24.72 U5U.6@12.355,-24 ; v1(13.125,-28.425) 13.815,-28.425 U4U.4@13.845,-28.455
  Internal w0.3: v1(11.95,-25.125) 11.6,-25.475 11.6,-26.925 13.1,-28.425 v1(13.125,-28.425)
INB_4V: U4V.4 U5V.6 | length 6.1
  Top w0.5: v1(32.95,-25.125) 33.355,-24.72 U5V.6@33.355,-24 ; v1(34.125,-28.425) 34.815,-28.425 U4V.4@34.845,-28.455
  Internal w0.3: v1(32.95,-25.125) 32.6,-25.475 32.6,-26.925 34.1,-28.425 v1(34.125,-28.425)
INB_4W: U4W.4 U5W.6 | length 6.1
  Top w0.5: v1(53.95,-25.125) 54.355,-24.72 U5W.6@54.355,-24 ; v1(55.125,-28.425) 55.815,-28.425 U4W.4@55.845,-28.455
  Internal w0.3: v1(53.95,-25.125) 53.6,-25.475 53.6,-26.925 55.1,-28.425 v1(55.125,-28.425)
INB_4X: U4X.4 U5X.6 | length 6.1
  Top w0.5: v1(74.95,-25.125) 75.355,-24.72 U5X.6@75.355,-24 ; v1(76.125,-28.425) 76.815,-28.425 U4X.4@76.845,-28.455
  Internal w0.3: v1(74.95,-25.125) 74.6,-25.475 74.6,-26.925 76.1,-28.425 v1(76.125,-28.425)
INB_4Y: U4Y.4 U5Y.6 | length 6.1
  Top w0.5: v1(-72.05,-67.125) -71.645,-66.72 U5Y.6@-71.645,-66 ; v1(-70.875,-70.425) -70.185,-70.425 U4Y.4@-70.155,-70.455
  Internal w0.3: v1(-72.05,-67.125) -72.4,-67.475 -72.4,-68.925 -70.9,-70.425 v1(-70.875,-70.425)
INB_4Z: U4Z.4 U5Z.6 | length 6.1
  Top w0.5: v1(-51.05,-67.125) -50.645,-66.72 U5Z.6@-50.645,-66 ; v1(-49.875,-70.425) -49.185,-70.425 U4Z.4@-49.155,-70.455
  Internal w0.3: v1(-51.05,-67.125) -51.4,-67.475 -51.4,-68.925 -49.9,-70.425 v1(-49.875,-70.425)
OUTA_1[: 3[.+ U1[.7 | length 9.4
  Top w0.3: v1(-37.385,-50.546) U1[.7@-37.385,-49.655
  Internal w0.3: v1(-37.385,-50.546) -36.725,-51.206 -36.725,-55.275 3[.+@-34.25,-57.75